# Altium PCB top_INA2180.PcbDoc (part 2 of 5) (continued)
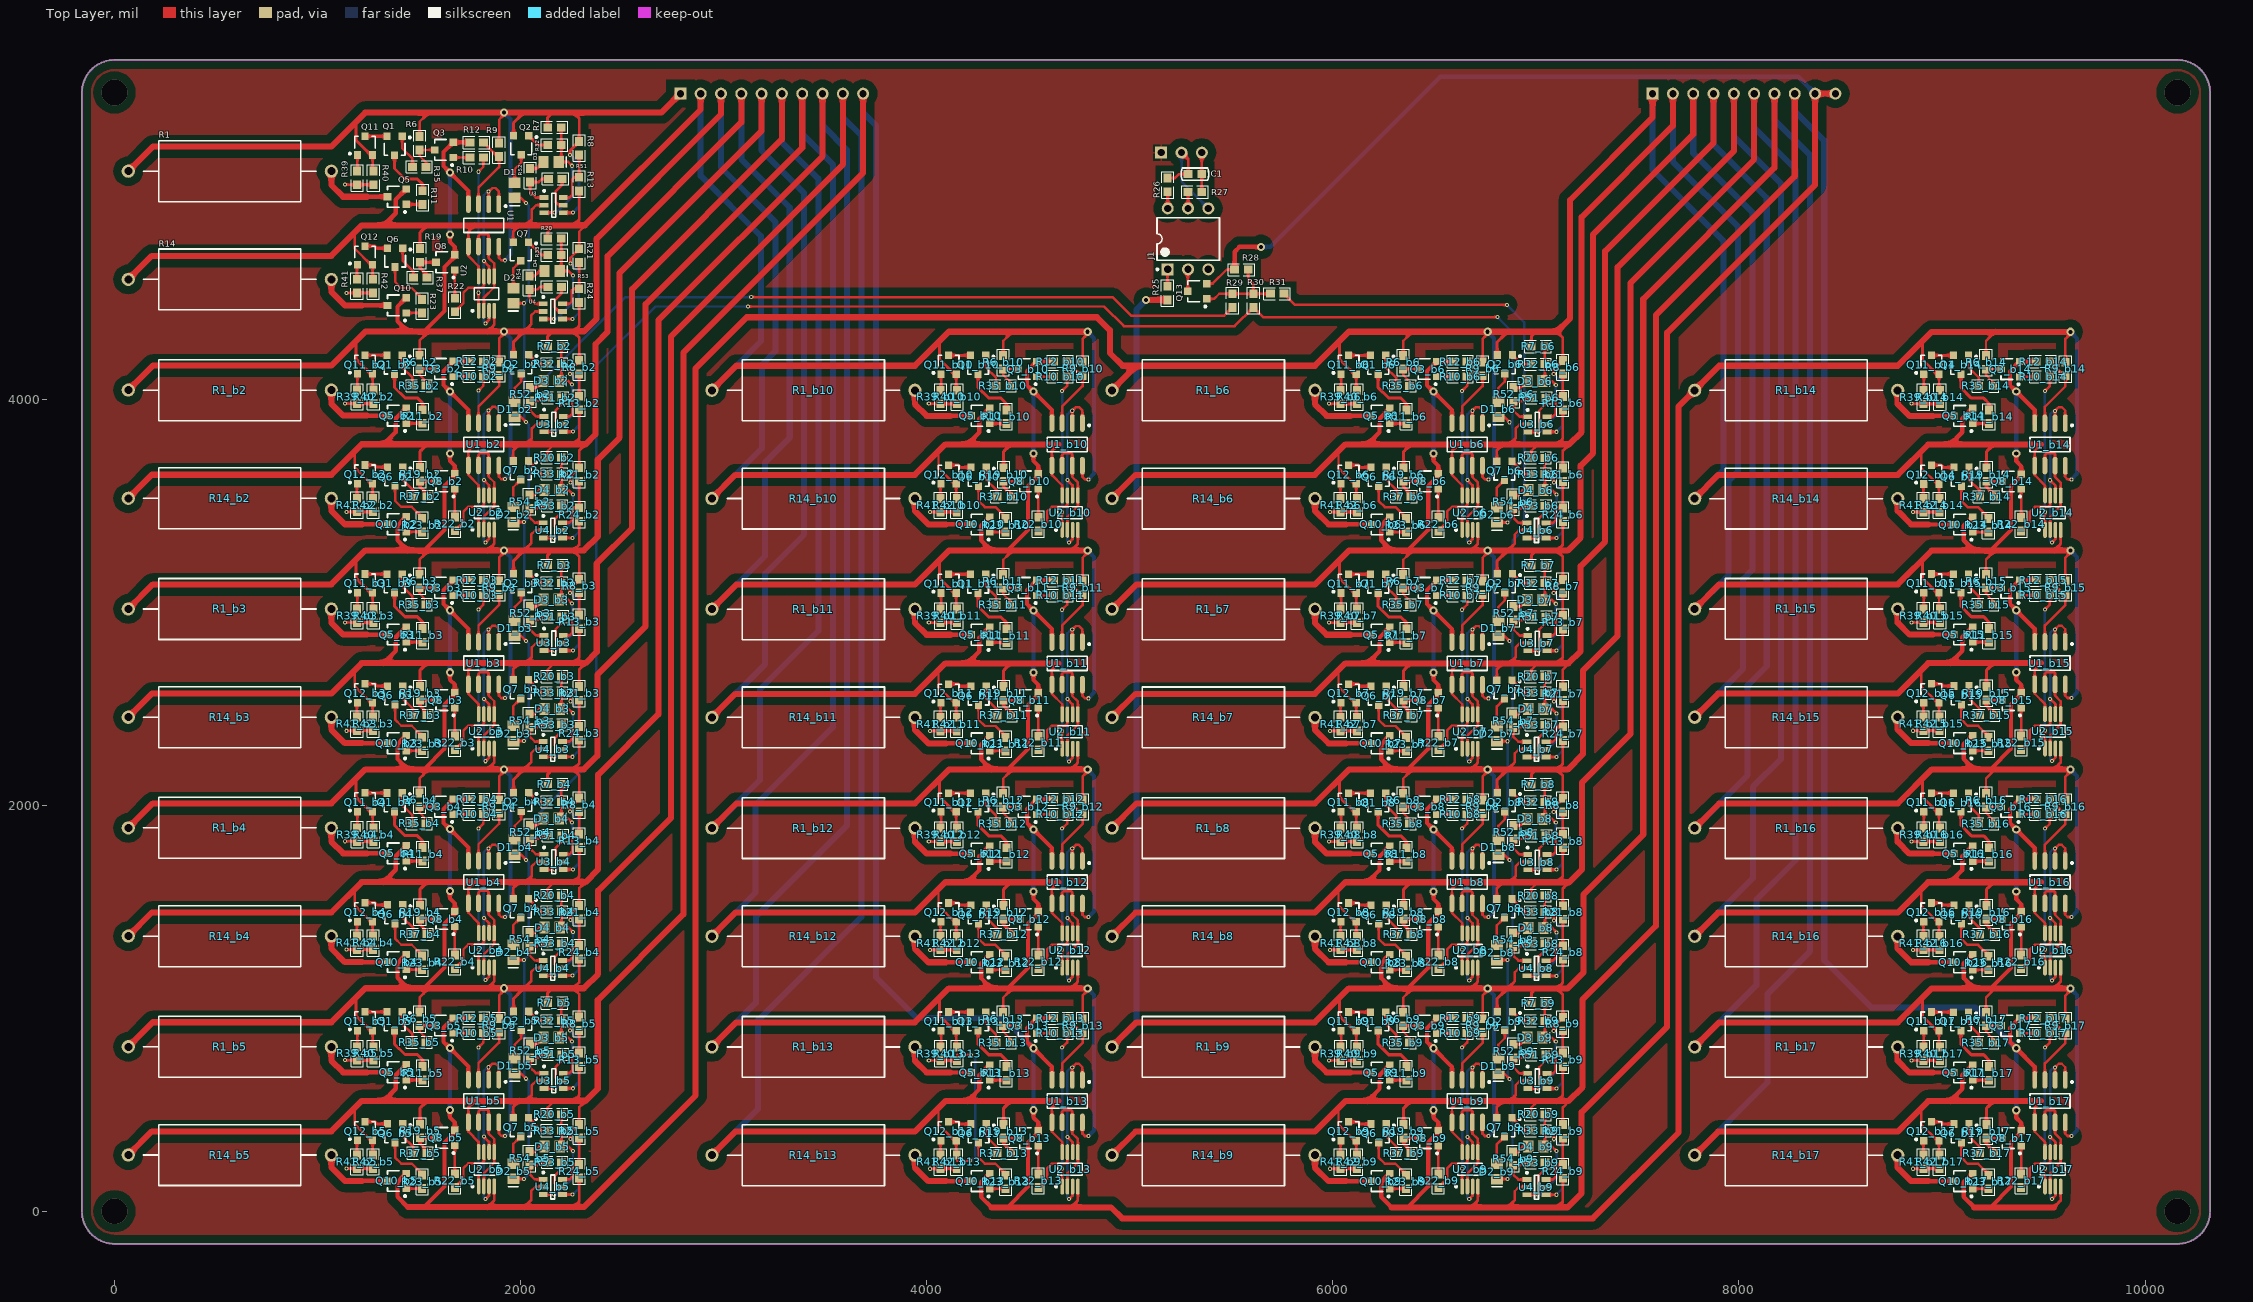
[diagram p0: Top Layer view]
## Nets (pads, with @x,y where several pads share a name; then routed paths per layer and width w, separated by ;. In a path a pad name is that pad's centre, name@x,y a point inside that pad or via, vN(x,y) a via of type N, cw(c..) or ccw(c..) an arc to the next point about the centre after c; other vN are vias at no path point) (continued)
  Bottom Layer w12: v1(9541.86,1137.61) 9532.86,1146.61 v1(9532.86,1444.61) 9532.86,1768.61 9550.86,1786.61 v1(9556.86,1786.61)
G1_VC1_BUF_b17: U1_b17.1 U1_b17.2 U2_b17.3 U2_b17.6 | length 1011.1
  Top Layer w12: v1(9532.86,366.61) 9558.65,340.81 U2_b17.6@9558.65,291.26 ; v1(9541.86,59.61) 9558.65,76.4 U2_b17.3@9558.65,121.96 U2_b17.3@9559.39,122.7 ; U1_b17.2@9556.86,647.1 v1(9556.86,708.61) 9574.86,726.61 9589.86,726.61 9606.86,709.61 U1_b17.1@9606.86,647.1
  Bottom Layer w12: v1(9541.86,59.61) 9532.86,68.61 v1(9532.86,366.61) 9532.86,690.61 9550.86,708.61 v1(9556.86,708.61)
G1_VC1_DISCH: R10.2 U2.1 | length 765.4
  Top Layer w12: v1(1792.86,4523.61) 1792.86,4435.58 U2.1@1793.47,4434.96 ; v1(1792.86,5119.61) 1817.19,5143.94 R10.2@1817.19,5190.01
  Bottom Layer w12: v1(1792.86,4523.61) v1(1792.86,5119.61)
G1_VC1_DISCH_b2: R10_b2.2 U2_b2.1 | length 765.4
  Top Layer w12: v1(1792.87,3445.54) 1792.87,3357.5 U2_b2.1@1793.48,3356.89 ; v1(1792.87,4041.54) 1817.2,4065.87 R10_b2.2@1817.2,4111.94
  Bottom Layer w12: v1(1792.87,3445.54) v1(1792.87,4041.54)
G1_VC1_DISCH_b3: R10_b3.2 U2_b3.1 | length 765.4
  Top Layer w12: v1(1792.87,2367.54) 1792.87,2279.5 U2_b3.1@1793.48,2278.89 ; v1(1792.87,2963.54) 1817.2,2987.87 R10_b3.2@1817.2,3033.94
  Bottom Layer w12: v1(1792.87,2367.54) v1(1792.87,2963.54)
G1_VC1_DISCH_b4: R10_b4.2 U2_b4.1 | length 765.4
  Top Layer w12: v1(1792.87,1289.54) 1792.87,1201.5 U2_b4.1@1793.48,1200.89 ; v1(1792.87,1885.54) 1817.2,1909.87 R10_b4.2@1817.2,1955.94
  Bottom Layer w12: v1(1792.87,1289.54) v1(1792.87,1885.54)
G1_VC1_DISCH_b5: R10_b5.2 U2_b5.1 | length 765.4
  Top Layer w12: v1(1792.87,211.54) 1792.87,123.5 U2_b5.1@1793.48,122.89 ; v1(1792.87,807.54) 1817.2,831.87 R10_b5.2@1817.2,877.94
  Bottom Layer w12: v1(1792.87,211.54) v1(1792.87,807.54)
G1_VC1_DISCH_b6: R10_b6.2 U2_b6.1 | length 765.4
  Top Layer w12: v1(6636.86,3444.61) 6636.86,3356.58 U2_b6.1@6637.47,3355.96 ; v1(6636.86,4040.61) 6661.19,4064.94 R10_b6.2@6661.19,4111.01
  Bottom Layer w12: v1(6636.86,3444.61) v1(6636.86,4040.61)
G1_VC1_DISCH_b7: R10_b7.2 U2_b7.1 | length 765.4
  Top Layer w12: v1(6636.86,2366.61) 6636.86,2278.58 U2_b7.1@6637.47,2277.96 ; v1(6636.86,2962.61) 6661.19,2986.94 R10_b7.2@6661.19,3033.01
  Bottom Layer w12: v1(6636.86,2366.61) v1(6636.86,2962.61)
G1_VC1_DISCH_b8: R10_b8.2 U2_b8.1 | length 765.4
  Top Layer w12: v1(6636.86,1288.61) 6636.86,1200.58 U2_b8.1@6637.47,1199.96 ; v1(6636.86,1884.61) 6661.19,1908.94 R10_b8.2@6661.19,1955.01
  Bottom Layer w12: v1(6636.86,1288.61) v1(6636.86,1884.61)
G1_VC1_DISCH_b9: R10_b9.2 U2_b9.1 | length 765.4
  Top Layer w12: v1(6636.86,210.61) 6636.86,122.58 U2_b9.1@6637.47,121.96 ; v1(6636.86,806.61) 6661.19,830.94 R10_b9.2@6661.19,877.01
  Bottom Layer w12: v1(6636.86,210.61) v1(6636.86,806.61)
G1_VC1_DISCH_b10: R10_b10.2 U2_b10.1 | length 765.4
  Top Layer w12: v1(4666.86,3444.61) 4666.86,3356.58 U2_b10.1@4667.47,3355.96 ; v1(4666.86,4040.61) 4691.19,4064.94 R10_b10.2@4691.19,4111.01
  Bottom Layer w12: v1(4666.86,3444.61) v1(4666.86,4040.61)
G1_VC1_DISCH_b11: R10_b11.2 U2_b11.1 | length 765.4
  Top Layer w12: v1(4666.86,2366.61) 4666.86,2278.58 U2_b11.1@4667.47,2277.96 ; v1(4666.86,2962.61) 4691.19,2986.94 R10_b11.2@4691.19,3033.01
  Bottom Layer w12: v1(4666.86,2366.61) v1(4666.86,2962.61)
G1_VC1_DISCH_b12: R10_b12.2 U2_b12.1 | length 765.4
  Top Layer w12: v1(4666.86,1288.61) 4666.86,1200.58 U2_b12.1@4667.47,1199.96 ; v1(4666.86,1884.61) 4691.19,1908.94 R10_b12.2@4691.19,1955.01
  Bottom Layer w12: v1(4666.86,1288.61) v1(4666.86,1884.61)
G1_VC1_DISCH_b13: R10_b13.2 U2_b13.1 | length 765.4
  Top Layer w12: v1(4666.86,210.61) 4666.86,122.58 U2_b13.1@4667.47,121.96 ; v1(4666.86,806.61) 4691.19,830.94 R10_b13.2@4691.19,877.01
  Bottom Layer w12: v1(4666.86,210.61) v1(4666.86,806.61)
G1_VC1_DISCH_b14: R10_b14.2 U2_b14.1 | length 765.4
  Top Layer w12: v1(9506.86,3444.35) 9506.86,3356.32 U2_b14.1@9507.47,3355.7 ; v1(9506.86,4040.35) 9531.19,4064.68 R10_b14.2@9531.19,4110.75
  Bottom Layer w12: v1(9506.86,3444.35) v1(9506.86,4040.35)
G1_VC1_DISCH_b15: R10_b15.2 U2_b15.1 | length 765.4
  Top Layer w12: v1(9506.86,2367.61) 9506.86,2279.58 U2_b15.1@9507.47,2278.96 ; v1(9506.86,2963.61) 9531.19,2987.94 R10_b15.2@9531.19,3034.01
  Bottom Layer w12: v1(9506.86,2367.61) v1(9506.86,2963.61)
G1_VC1_DISCH_b16: R10_b16.2 U2_b16.1 | length 765.4
  Top Layer w12: v1(9506.86,1288.61) 9506.86,1200.58 U2_b16.1@9507.47,1199.96 ; v1(9506.86,1884.61) 9531.19,1908.94 R10_b16.2@9531.19,1955.01
  Bottom Layer w12: v1(9506.86,1288.61) v1(9506.86,1884.61)
G1_VC1_DISCH_b17: R10_b17.2 U2_b17.1 | length 765.4
  Top Layer w12: v1(9506.86,210.61) 9506.86,122.58 U2_b17.1@9507.47,121.96 ; v1(9506.86,806.61) 9531.19,830.94 R10_b17.2@9531.19,877.01
  Bottom Layer w12: v1(9506.86,210.61) v1(9506.86,806.61)
G1_VC1_VOL: R9.1 R12.2 U1.3 | length 381.5
  Top Layer w12: U1.3@1792.86,4960.1 1792.86,5041.61 1893.86,5142.61 R9.1@1893.86,5194.14 1887.06,5194.14 R12.2@1817.19,5264.01
G1_VC1_VOL_b2: R9_b2.1 R12_b2.2 U1_b2.3 | length 381.5
  Top Layer w12: U1_b2.3@1792.87,3882.02 1792.87,3963.54 1893.87,4064.54 R9_b2.1@1893.87,4116.07 1887.06,4116.07 R12_b2.2@1817.2,4185.94
G1_VC1_VOL_b3: R9_b3.1 R12_b3.2 U1_b3.3 | length 381.5
  Top Layer w12: U1_b3.3@1792.87,2804.02 1792.87,2885.54 1893.87,2986.54 R9_b3.1@1893.87,3038.07 1887.06,3038.07 R12_b3.2@1817.2,3107.94
G1_VC1_VOL_b4: R9_b4.1 R12_b4.2 U1_b4.3 | length 381.5
  Top Layer w12: U1_b4.3@1792.87,1726.02 1792.87,1807.54 1893.87,1908.54 R9_b4.1@1893.87,1960.07 1887.06,1960.07 R12_b4.2@1817.2,2029.94
G1_VC1_VOL_b5: R9_b5.1 R12_b5.2 U1_b5.3 | length 381.5
  Top Layer w12: U1_b5.3@1792.87,648.02 1792.87,729.54 1893.87,830.54 R9_b5.1@1893.87,882.07 1887.06,882.07 R12_b5.2@1817.2,951.94
G1_VC1_VOL_b6: R9_b6.1 R12_b6.2 U1_b6.3 | length 381.5
  Top Layer w12: U1_b6.3@6636.86,3881.1 6636.86,3962.61 6737.86,4063.61 R9_b6.1@6737.86,4115.14 6731.06,4115.14 R12_b6.2@6661.19,4185.01
G1_VC1_VOL_b7: R9_b7.1 R12_b7.2 U1_b7.3 | length 381.5
  Top Layer w12: U1_b7.3@6636.86,2803.1 6636.86,2884.61 6737.86,2985.61 R9_b7.1@6737.86,3037.14 6731.06,3037.14 R12_b7.2@6661.19,3107.01
G1_VC1_VOL_b8: R9_b8.1 R12_b8.2 U1_b8.3 | length 381.5
  Top Layer w12: U1_b8.3@6636.86,1725.1 6636.86,1806.61 6737.86,1907.61 R9_b8.1@6737.86,1959.14 6731.06,1959.14 R12_b8.2@6661.19,2029.01
G1_VC1_VOL_b9: R9_b9.1 R12_b9.2 U1_b9.3 | length 381.5
  Top Layer w12: U1_b9.3@6636.86,647.1 6636.86,728.61 6737.86,829.61 R9_b9.1@6737.86,881.14 6731.06,881.14 R12_b9.2@6661.19,951.01
G1_VC1_VOL_b10: R9_b10.1 R12_b10.2 U1_b10.3 | length 381.5
  Top Layer w12: U1_b10.3@4666.86,3881.1 4666.86,3962.61 4767.86,4063.61 R9_b10.1@4767.86,4115.14 4761.06,4115.14 R12_b10.2@4691.19,4185.01
G1_VC1_VOL_b11: R9_b11.1 R12_b11.2 U1_b11.3 | length 381.5
  Top Layer w12: U1_b11.3@4666.86,2803.1 4666.86,2884.61 4767.86,2985.61 R9_b11.1@4767.86,3037.14 4761.06,3037.14 R12_b11.2@4691.19,3107.01
G1_VC1_VOL_b12: R9_b12.1 R12_b12.2 U1_b12.3 | length 381.5
  Top Layer w12: U1_b12.3@4666.86,1725.1 4666.86,1806.61 4767.86,1907.61 R9_b12.1@4767.86,1959.14 4761.06,1959.14 R12_b12.2@4691.19,2029.01
G1_VC1_VOL_b13: R9_b13.1 R12_b13.2 U1_b13.3 | length 381.5
  Top Layer w12: U1_b13.3@4666.86,647.1 4666.86,728.61 4767.86,829.61 R9_b13.1@4767.86,881.14 4761.06,881.14 R12_b13.2@4691.19,951.01
G1_VC1_VOL_b14: R9_b14.1 R12_b14.2 U1_b14.3 | length 381.5
  Top Layer w12: U1_b14.3@9506.86,3880.84 9506.86,3962.35 9607.86,4063.35 R9_b14.1@9607.86,4114.88 9601.06,4114.88 R12_b14.2@9531.19,4184.75
G1_VC1_VOL_b15: R9_b15.1 R12_b15.2 U1_b15.3 | length 381.5
  Top Layer w12: U1_b15.3@9506.86,2804.1 9506.86,2885.61 9607.86,2986.61 R9_b15.1@9607.86,3038.14 9601.06,3038.14 R12_b15.2@9531.19,3108.01
G1_VC1_VOL_b16: R9_b16.1 R12_b16.2 U1_b16.3 | length 381.5
  Top Layer w12: U1_b16.3@9506.86,1725.1 9506.86,1806.61 9607.86,1907.61 R9_b16.1@9607.86,1959.14 9601.06,1959.14 R12_b16.2@9531.19,2029.01
G1_VC1_VOL_b17: R9_b17.1 R12_b17.2 U1_b17.3 | length 381.5
  Top Layer w12: U1_b17.3@9506.86,647.1 9506.86,728.61 9607.86,829.61 R9_b17.1@9607.86,881.14 9601.06,881.14 R12_b17.2@9531.19,951.01
G1_VC2_BUF: U1.6 U1.7 U2.2 U2.5 | length 512.1
  Top Layer w12: U1.6@1792.86,4751.12 1792.86,4803.61 1800.86,4811.61 1837.86,4811.61 1842.86,4806.61 U1.7@1842.86,4751.12 1842.86,4695.61 1870.24,4668.22 U2.5@1870.24,4604.26 1870.24,4551 1819.06,4499.81 U2.2@1819.06,4434.96
G1_VC2_BUF_b2: U1_b2.6 U1_b2.7 U2_b2.2 U2_b2.5 | length 512.1
  Top Layer w12: U1_b2.6@1792.87,3673.05 1792.87,3725.54 1800.87,3733.54 1837.87,3733.54 1842.87,3728.54 U1_b2.7@1842.87,3673.05 1842.87,3617.54 1870.25,3590.15 U2_b2.5@1870.25,3526.18 1870.25,3472.92 1819.07,3421.74 U2_b2.2@1819.07,3356.89
G1_VC2_BUF_b3: U1_b3.6 U1_b3.7 U2_b3.2 U2_b3.5 | length 512.1
  Top Layer w12: U1_b3.6@1792.87,2595.05 1792.87,2647.54 1800.87,2655.54 1837.87,2655.54 1842.87,2650.54 U1_b3.7@1842.87,2595.05 1842.87,2539.54 1870.25,2512.15 U2_b3.5@1870.25,2448.18 1870.25,2394.92 1819.07,2343.74 U2_b3.2@1819.07,2278.89
G1_VC2_BUF_b4: U1_b4.6 U1_b4.7 U2_b4.2 U2_b4.5 | length 512.1
  Top Layer w12: U1_b4.6@1792.87,1517.05 1792.87,1569.54 1800.87,1577.54 1837.87,1577.54 1842.87,1572.54 U1_b4.7@1842.87,1517.05 1842.87,1461.54 1870.25,1434.15 U2_b4.5@1870.25,1370.18 1870.25,1316.92 1819.07,1265.74 U2_b4.2@1819.07,1200.89
G1_VC2_BUF_b5: U1_b5.6 U1_b5.7 U2_b5.2 U2_b5.5 | length 512.1
  Top Layer w12: U1_b5.6@1792.87,439.05 1792.87,491.54 1800.87,499.54 1837.87,499.54 1842.87,494.54 U1_b5.7@1842.87,439.05 1842.87,383.54 1870.25,356.15 U2_b5.5@1870.25,292.18 1870.25,238.92 1819.07,187.74 U2_b5.2@1819.07,122.89
G1_VC2_BUF_b6: U1_b6.6 U1_b6.7 U2_b6.2 U2_b6.5 | length 512.1
  Top Layer w12: U1_b6.6@6636.86,3672.12 6636.86,3724.61 6644.86,3732.61 6681.86,3732.61 6686.86,3727.61 U1_b6.7@6686.86,3672.12 6686.86,3616.61 6714.24,3589.22 U2_b6.5@6714.24,3525.26 6714.24,3472 6663.06,3420.81 U2_b6.2@6663.06,3355.96
G1_VC2_BUF_b7: U1_b7.6 U1_b7.7 U2_b7.2 U2_b7.5 | length 512.1
  Top Layer w12: U1_b7.6@6636.86,2594.12 6636.86,2646.61 6644.86,2654.61 6681.86,2654.61 6686.86,2649.61 U1_b7.7@6686.86,2594.12 6686.86,2538.61 6714.24,2511.22 U2_b7.5@6714.24,2447.26 6714.24,2394 6663.06,2342.81 U2_b7.2@6663.06,2277.96
G1_VC2_BUF_b8: U1_b8.6 U1_b8.7 U2_b8.2 U2_b8.5 | length 512.1
  Top Layer w12: U1_b8.6@6636.86,1516.12 6636.86,1568.61 6644.86,1576.61 6681.86,1576.61 6686.86,1571.61 U1_b8.7@6686.86,1516.12 6686.86,1460.61 6714.24,1433.22 U2_b8.5@6714.24,1369.26 6714.24,1316 6663.06,1264.81 U2_b8.2@6663.06,1199.96
G1_VC2_BUF_b9: U1_b9.6 U1_b9.7 U2_b9.2 U2_b9.5 | length 512.1
  Top Layer w12: U1_b9.6@6636.86,438.12 6636.86,490.61 6644.86,498.61 6681.86,498.61 6686.86,493.61 U1_b9.7@6686.86,438.12 6686.86,382.61 6714.24,355.22 U2_b9.5@6714.24,291.26 6714.24,238 6663.06,186.81 U2_b9.2@6663.06,121.96
G1_VC2_BUF_b10: U1_b10.6 U1_b10.7 U2_b10.2 U2_b10.5 | length 512.1
  Top Layer w12: U1_b10.6@4666.86,3672.12 4666.86,3724.61 4674.86,3732.61 4711.86,3732.61 4716.86,3727.61 U1_b10.7@4716.86,3672.12 4716.86,3616.61 4744.24,3589.22 U2_b10.5@4744.24,3525.26 4744.24,3472 4693.06,3420.81 U2_b10.2@4693.06,3355.96
G1_VC2_BUF_b11: U1_b11.6 U1_b11.7 U2_b11.2 U2_b11.5 | length 512.1
  Top Layer w12: U1_b11.6@4666.86,2594.12 4666.86,2646.61 4674.86,2654.61 4711.86,2654.61 4716.86,2649.61 U1_b11.7@4716.86,2594.12 4716.86,2538.61 4744.24,2511.22 U2_b11.5@4744.24,2447.26 4744.24,2394 4693.06,2342.81 U2_b11.2@4693.06,2277.96
G1_VC2_BUF_b12: U1_b12.6 U1_b12.7 U2_b12.2 U2_b12.5 | length 512.1
  Top Layer w12: U1_b12.6@4666.86,1516.12 4666.86,1568.61 4674.86,1576.61 4711.86,1576.61 4716.86,1571.61 U1_b12.7@4716.86,1516.12 4716.86,1460.61 4744.24,1433.22 U2_b12.5@4744.24,1369.26 4744.24,1316 4693.06,1264.81 U2_b12.2@4693.06,1199.96
G1_VC2_BUF_b13: U1_b13.6 U1_b13.7 U2_b13.2 U2_b13.5 | length 512.1
  Top Layer w12: U1_b13.6@4666.86,438.12 4666.86,490.61 4674.86,498.61 4711.86,498.61 4716.86,493.61 U1_b13.7@4716.86,438.12 4716.86,382.61 4744.24,355.22 U2_b13.5@4744.24,291.26 4744.24,238 4693.06,186.81 U2_b13.2@4693.06,121.96
G1_VC2_BUF_b14: U1_b14.6 U1_b14.7 U2_b14.2 U2_b14.5 | length 512.1
  Top Layer w12: U1_b14.6@9506.86,3671.86 9506.86,3724.35 9514.86,3732.35 9551.86,3732.35 9556.86,3727.35 U1_b14.7@9556.86,3671.86 9556.86,3616.35 9584.24,3588.96 U2_b14.5@9584.24,3525 9584.24,3471.74 9533.06,3420.55 U2_b14.2@9533.06,3355.7
G1_VC2_BUF_b15: U1_b15.6 U1_b15.7 U2_b15.2 U2_b15.5 | length 512.1
  Top Layer w12: U1_b15.6@9506.86,2595.12 9506.86,2647.61 9514.86,2655.61 9551.86,2655.61 9556.86,2650.61 U1_b15.7@9556.86,2595.12 9556.86,2539.61 9584.24,2512.22 U2_b15.5@9584.24,2448.26 9584.24,2395 9533.06,2343.81 U2_b15.2@9533.06,2278.96
G1_VC2_BUF_b16: U1_b16.6 U1_b16.7 U2_b16.2 U2_b16.5 | length 512.1
  Top Layer w12: U1_b16.6@9506.86,1516.12 9506.86,1568.61 9514.86,1576.61 9551.86,1576.61 9556.86,1571.61 U1_b16.7@9556.86,1516.12 9556.86,1460.61 9584.24,1433.22 U2_b16.5@9584.24,1369.26 9584.24,1316 9533.06,1264.81 U2_b16.2@9533.06,1199.96
G1_VC2_BUF_b17: U1_b17.6 U1_b17.7 U2_b17.2 U2_b17.5 | length 512.1
  Top Layer w12: U1_b17.6@9506.86,438.12 9506.86,490.61 9514.86,498.61 9551.86,498.61 9556.86,493.61 U1_b17.7@9556.86,438.12 9556.86,382.61 9584.24,355.22 U2_b17.5@9584.24,291.26 9584.24,238 9533.06,186.81 U2_b17.2@9533.06,121.96
G1_VC2_DISCH: R22.1 U2.7 | length 271.5
  Top Layer w12: R22.1@1675.86,4430.14 1718.86,4473.14 1718.86,4524.61 1742.86,4548.61 1807.86,4548.61 1819.06,4559.81 U2.7@1819.06,4604.26
G1_VC2_DISCH_b2: R22_b2.1 U2_b2.7 | length 271.5
  Top Layer w12: R22_b2.1@1675.87,3352.07 1718.87,3395.07 1718.87,3446.54 1742.87,3470.54 1807.87,3470.54 1819.07,3481.74 U2_b2.7@1819.07,3526.18
G1_VC2_DISCH_b3: R22_b3.1 U2_b3.7 | length 271.5
  Top Layer w12: R22_b3.1@1675.87,2274.07 1718.87,2317.07 1718.87,2368.54 1742.87,2392.54 1807.87,2392.54 1819.07,2403.74 U2_b3.7@1819.07,2448.18
G1_VC2_DISCH_b4: R22_b4.1 U2_b4.7 | length 271.5
  Top Layer w12: R22_b4.1@1675.87,1196.07 1718.87,1239.07 1718.87,1290.54 1742.87,1314.54 1807.87,1314.54 1819.07,1325.74 U2_b4.7@1819.07,1370.18
G1_VC2_DISCH_b5: R22_b5.1 U2_b5.7 | length 271.5
  Top Layer w12: R22_b5.1@1675.87,118.07 1718.87,161.07 1718.87,212.54 1742.87,236.54 1807.87,236.54 1819.07,247.74 U2_b5.7@1819.07,292.18
G1_VC2_DISCH_b6: R22_b6.1 U2_b6.7 | length 271.5
  Top Layer w12: R22_b6.1@6519.86,3351.14 6562.86,3394.14 6562.86,3445.61 6586.86,3469.61 6651.86,3469.61 6663.06,3480.81 U2_b6.7@6663.06,3525.26
G1_VC2_DISCH_b7: R22_b7.1 U2_b7.7 | length 271.5
  Top Layer w12: R22_b7.1@6519.86,2273.14 6562.86,2316.14 6562.86,2367.61 6586.86,2391.61 6651.86,2391.61 6663.06,2402.81 U2_b7.7@6663.06,2447.26
G1_VC2_DISCH_b8: R22_b8.1 U2_b8.7 | length 271.5
  Top Layer w12: R22_b8.1@6519.86,1195.14 6562.86,1238.14 6562.86,1289.61 6586.86,1313.61 6651.86,1313.61 6663.06,1324.81 U2_b8.7@6663.06,1369.26
G1_VC2_DISCH_b9: R22_b9.1 U2_b9.7 | length 271.5
  Top Layer w12: R22_b9.1@6519.86,117.14 6562.86,160.14 6562.86,211.61 6586.86,235.61 6651.86,235.61 6663.06,246.81 U2_b9.7@6663.06,291.26
G1_VC2_DISCH_b10: R22_b10.1 U2_b10.7 | length 271.5
  Top Layer w12: R22_b10.1@4549.86,3351.14 4592.86,3394.14 4592.86,3445.61 4616.86,3469.61 4681.86,3469.61 4693.06,3480.81 U2_b10.7@4693.06,3525.26
G1_VC2_DISCH_b11: R22_b11.1 U2_b11.7 | length 271.5
  Top Layer w12: R22_b11.1@4549.86,2273.14 4592.86,2316.14 4592.86,2367.61 4616.86,2391.61 4681.86,2391.61 4693.06,2402.81 U2_b11.7@4693.06,2447.26
G1_VC2_DISCH_b12: R22_b12.1 U2_b12.7 | length 271.5
  Top Layer w12: R22_b12.1@4549.86,1195.14 4592.86,1238.14 4592.86,1289.61 4616.86,1313.61 4681.86,1313.61 4693.06,1324.81 U2_b12.7@4693.06,1369.26
G1_VC2_DISCH_b13: R22_b13.1 U2_b13.7 | length 271.5
  Top Layer w12: R22_b13.1@4549.86,117.14 4592.86,160.14 4592.86,211.61 4616.86,235.61 4681.86,235.61 4693.06,246.81 U2_b13.7@4693.06,291.26
G1_VC2_DISCH_b14: R22_b14.1 U2_b14.7 | length 271.5
  Top Layer w12: R22_b14.1@9389.86,3350.88 9432.86,3393.88 9432.86,3445.35 9456.86,3469.35 9521.86,3469.35 9533.06,3480.55 U2_b14.7@9533.06,3525
G1_VC2_DISCH_b15: R22_b15.1 U2_b15.7 | length 271.5
  Top Layer w12: R22_b15.1@9389.86,2274.14 9432.86,2317.14 9432.86,2368.61 9456.86,2392.61 9521.86,2392.61 9533.06,2403.81 U2_b15.7@9533.06,2448.26
G1_VC2_DISCH_b16: R22_b16.1 U2_b16.7 | length 271.5
  Top Layer w12: R22_b16.1@9389.86,1195.14 9432.86,1238.14 9432.86,1289.61 9456.86,1313.61 9521.86,1313.61 9533.06,1324.81 U2_b16.7@9533.06,1369.26
G1_VC2_DISCH_b17: R22_b17.1 U2_b17.7 | length 271.5
  Top Layer w12: R22_b17.1@9389.86,117.14 9432.86,160.14 9432.86,211.61 9456.86,235.61 9521.86,235.61 9533.06,246.81 U2_b17.7@9533.06,291.26
IN_A0: P1.1 Q2.2 Q11.2 R1.2 R6.2 R7.2 R8.2 R9.2 R40.1 U1.8 U3.4 | length 5097.6
  Top Layer w12: Q11.2@1271.39,5202.07 1271.39,5127.4 R40.1@1275.99,5122.8 ; R6.2@1502.86,5293.54 1502.86,5365.86 1547.61,5410.61 ; U1.8@1892.86,4751.12 1892.86,4695.61 1904.86,4683.61 v1(1922.86,4683.61) ; R9.2@1893.86,5261.07 1893.86,5375.61 1918.86,5400.61 v2(1918.86,5410.61) ; 2259.24,5410.61 2288.86,5380.99 R8.2@2288.86,5269.07 R8.2@2288.39,5268.61
  Top Layer w15: 1189.99,5359.86 1189.99,5273.89 Q11.2@1261.81,5202.07 ; Q2.2@1965.6,5296.26 1965.6,5360.6 2015.61,5410.61 2016,5410.61 ; R7.2@2133.54,5338 2133.54,5387.14 2154,5407.61 ; U3.4@2210.24,4917.6 2257.6,4917.6 v1(2258,4918) ; v1(2244,5202) 2244,5224.22 R8.2@2288.39,5268.61
  Top Layer w20: Q11.2@1261.81,5202.07 Q11.2@1271.39,5202.07
  Top Layer w30: R1.2@67.99,5122.33 189.02,5243.36 1067.99,5243.36 1235.24,5410.61 1547.61,5410.61 v2(1918.86,5410.61) ; v2@1928.86,5410.61 2015.61,5410.61 ; 2016,5410.61 2259.24,5410.61 2693.53,5410.61 P1.1@2786.99,5504.07
  Bottom Layer w15: v1(2244,5202) 2287,5159 2287,4947 v1(2258,4918)
  Bottom Layer w20: v2(1918.86,5410.61) 1950.86,5378.61 1950.86,4711.61 v1(1922.86,4683.61)
IN_A1: P1.3 Q2_b2.2 Q3.2 Q5_b10.2 Q8.2 Q10.2 Q11_b2.2 Q12_b10.2 R1_b2.2 R6_b2.2 R7_b2.2 R8_b2.2 R9_b2.2 R12.1 R14_b10.2 R19_b10.2 R24.1 R40_b2.1 R42_b10.1 U1.4 U1_b2.8 U1_b10.5 U2.4 U2_b10.8 U3_b2.4 U4.2 | length 13758.6
  Top Layer w12: Q11_b2.2@1271.4,4124 1271.4,4049.32 R40_b2.1@1276,4044.72 ; R6_b2.2@1502.87,4215.46 1502.87,4287.79 1547.61,4332.54 ; 1836.79,4332.54 1870.24,4366 U2.4@1870.24,4434.96 ; U1_b2.8@1892.87,3673.05 1892.87,3617.54 1904.87,3605.54 v1(1922.87,3605.54) ; R9_b2.2@1893.87,4183 1893.87,4297.54 1918.87,4322.54 v2(1918.87,4332.54) ; 2017,4332.54 2052,4367.54 2052,4412 2072,4432 U4.2@2111.76,4432 ; 2259.25,4332.54 2288.87,4302.92 R8_b2.2@2288.87,4191 R8_b2.2@2288.4,4190.54 ; 2260.17,4332.54 2288.86,4361.22 R24.1@2288.86,4476.14 ; 4057.99,3741.11 4057.99,3661.33 4137.25,3582.07 Q12_b10.2@4145.39,3582.07 4145.39,3513.4 R42_b10.1@4147.99,3510.8 ; 4647.86,3776.61 4616.86,3745.61 U1_b10.5@4616.86,3672.12 4616.86,3625.61 4667.47,3575 U2_b10.8@4667.47,3525.26
  Top Layer w15: 1190,4281.79 1190,4195.82 Q11_b2.2@1261.82,4124 ; Q2_b2.2@1965.61,4218.19 1965.61,4282.52 2015.62,4332.54 2016.01,4332.54 ; R7_b2.2@2133.54,4259.93 2133.54,4309.07 2154.01,4329.54 ; U3_b2.4@2210.25,3839.52 2257.61,3839.52 v1(2258.01,3839.93) ; v1(2244.01,4123.93) 2244.01,4146.14 R8_b2.2@2288.4,4190.54 ; R19_b10.2@4378.86,3662.07 4378.86,3741.61 4413.86,3776.61 4417.86,3776.61
  Top Layer w20: Q11_b2.2@1261.82,4124 Q11_b2.2@1271.4,4124 ; 1526.86,4335.14 1625.86,4434.14 1625.86,4651.17 1676.12,4701.43 Q8.2@1676.12,4711.01 1676.12,4749.35 1651.72,4773.74 v2(1651.72,4810.61) ; U1.4@1742.86,4960.1 1742.86,5024.88 v2(1651.72,5116.01) 1620.72,5147.01 1620.72,5216.15 Q3.2@1668.98,5264.41 R12.1@1749.86,5264.41
  Top Layer w22: Q10.2@1437.12,4499.01 1393.86,4455.75 1393.86,4383.61 1444.93,4332.54 ; 4199.86,3776.61 4259.86,3836.61 4259.86,3903.75 Q5_b10.2@4311.12,3955.01
  Top Layer w30: R1_b2.2@68,4044.26 189.02,4165.28 1068,4165.28 1235.25,4332.54 1547.61,4332.54 v2(1918.87,4332.54) ; 1444.93,4332.54 1836.79,4332.54 2017,4332.54 2260.17,4332.54 2311.99,4332.54 2373.99,4394.54 2373.99,4790.65 2986.99,5403.65 P1.3@2986.99,5504.07 ; v2@1928.87,4332.54 2015.62,4332.54 ; 2016.01,4332.54 2259.25,4332.54 ; R14_b10.2@2941.99,3510.33 3058.27,3626.61 3941.99,3626.61 4091.99,3776.61 4199.86,3776.61 4413.86,3776.61 ; 4417.86,3776.61 4647.86,3776.61
  Bottom Layer w15: v1(2244.01,4123.93) 2287.01,4080.93 2287.01,3868.93 v1(2258.01,3839.93)
  Bottom Layer w20: v2(1651.72,4810.61) v2(1651.72,5116.01) ; v2(1918.87,4332.54) 1950.87,4300.54 1950.87,3633.54 v1(1922.87,3605.54)
  Bottom Layer w30: R14_b10.2@2941.99,3510.33 3188.99,3757.33 3188.99,4169.34 3254.73,4235.07 3254.73,4872.81 2986.99,5140.55 P1.3@2986.99,5504.07
IN_A2: P1.5 Q2_b3.2 Q3_b2.2 Q5_b11.2 Q8_b2.2 Q10_b2.2 Q11_b3.2 Q12_b11.2 R1_b3.2 R6_b3.2 R7_b3.2 R8_b3.2 R9_b3.2 R12_b2.1 R14_b11.2 R19_b11.2 R24_b2.1 R40_b3.1 R42_b11.1 U1_b2.4 U1_b3.8 U1_b11.5 U2_b2.4 U2_b11.8 U3_b3.4 U4_b2.2 | length 16031.8
  Top Layer w12: Q11_b3.2@1271.4,3046 1271.4,2971.32 R40_b3.1@1276,2966.72 ; R6_b3.2@1502.87,3137.46 1502.87,3209.79 1547.54,3254.46 1547.61,3254.54 ; 1836.8,3254.46 1836.87,3254.54 1870.25,3287.92 U2_b2.4@1870.25,3356.89 ; U1_b3.8@1892.87,2595.05 1892.87,2539.54 1904.87,2527.54 v1(1922.87,2527.54) ; R9_b3.2@1893.87,3105 1893.87,3219.54 1918.87,3244.54 1918.87,3254.46 v2(1918.87,3254.54) ; 2017.01,3254.46 2017.08,3254.54 2052.01,3289.46 2052.01,3333.93 2072.01,3353.93 U4_b2.2@2111.76,3353.93 ; 2259.25,3254.54 2259.32,3254.46 2288.87,3224.92 R8_b3.2@2288.87,3113 R8_b3.2@2288.4,3112.54 ; 2260.18,3254.46 2288.87,3283.15 R24_b2.1@2288.87,3398.07 ; 4057.99,2663.11 4057.99,2583.33 4137.25,2504.07 Q12_b11.2@4145.39,2504.07 4145.39,2435.4 R42_b11.1@4147.99,2432.8 ; 4647.86,2698.61 4616.86,2667.61 U1_b11.5@4616.86,2594.12 4616.86,2547.61 4667.47,2497 U2_b11.8@4667.47,2447.26
  Top Layer w15: 1190,3203.79 1190,3117.82 Q11_b3.2@1261.82,3046 ; Q2_b3.2@1965.61,3140.19 1965.61,3204.52 2015.55,3254.46 2015.62,3254.54 2016.01,3254.54 ; R7_b3.2@2133.54,3181.93 2133.54,3231.07 2154.01,3251.54 ; U3_b3.4@2210.25,2761.52 2257.61,2761.52 v1(2258.01,2761.93) ; v1(2244.01,3045.93) 2244.01,3068.14 R8_b3.2@2288.4,3112.54 ; R19_b11.2@4378.86,2584.07 4378.86,2663.61 4413.86,2698.61 4417.86,2698.61
  Top Layer w20: Q11_b3.2@1261.82,3046 Q11_b3.2@1271.4,3046 ; 1526.87,3257.07 1625.87,3356.07 1625.87,3573.09 1676.13,3623.35 Q8_b2.2@1676.13,3632.94 1676.13,3671.28 1651.73,3695.67 v2(1651.73,3732.54) ; U1_b2.4@1742.87,3882.02 1742.87,3946.8 v2(1651.73,4037.94) 1620.73,4068.94 1620.73,4138.08 Q3_b2.2@1668.99,4186.34 R12_b2.1@1749.87,4186.34
  Top Layer w22: Q10_b2.2@1437.13,3420.94 1393.87,3377.68 1393.87,3305.54 1444.87,3254.54 1444.94,3254.46 ; 4199.86,2698.61 4259.86,2758.61 4259.86,2825.75 Q5_b11.2@4311.12,2877.01
  Top Layer w30: R1_b3.2@68,2966.26 189.02,3087.28 1068,3087.28 1235.25,3254.54 1444.87,3254.54 1547.61,3254.54 1836.87,3254.54 v2(1918.87,3254.54) ; 1444.94,3254.46 1547.54,3254.46 1836.8,3254.46 1918.87,3254.46 2015.55,3254.46 2017.01,3254.46 2259.32,3254.46 2260.18,3254.46 2312,3254.46 2380,3322.46 2380,3702.08 2487.99,3810.07 2487.99,4621.81 3186.99,5320.81 P1.5@3186.99,5504.07 ; v2@1928.87,3254.54 2015.62,3254.54 ; 2016.01,3254.54 2017.08,3254.54 2259.25,3254.54 ; R14_b11.2@2941.99,2432.33 3058.27,2548.61 3941.99,2548.61 4091.99,2698.61 4199.86,2698.61 4413.86,2698.61 ; 4417.86,2698.61 4647.86,2698.61
  Bottom Layer w15: v1(2244.01,3045.93) 2287.01,3002.93 2287.01,2790.93 v1(2258.01,2761.93)
  Bottom Layer w20: v2(1651.73,3732.54) v2(1651.73,4037.94) ; v2(1918.87,3254.54) 1950.87,3222.54 1950.87,2555.54 v1(1922.87,2527.54)
  Bottom Layer w30: R14_b11.2@2941.99,2432.33 3203.99,2694.33 3203.99,3141.07 3396.15,3333.23 3396.15,5014.23 3186.99,5223.39 P1.5@3186.99,5504.07